# KiCad board FD.kicad_pcb (continued)
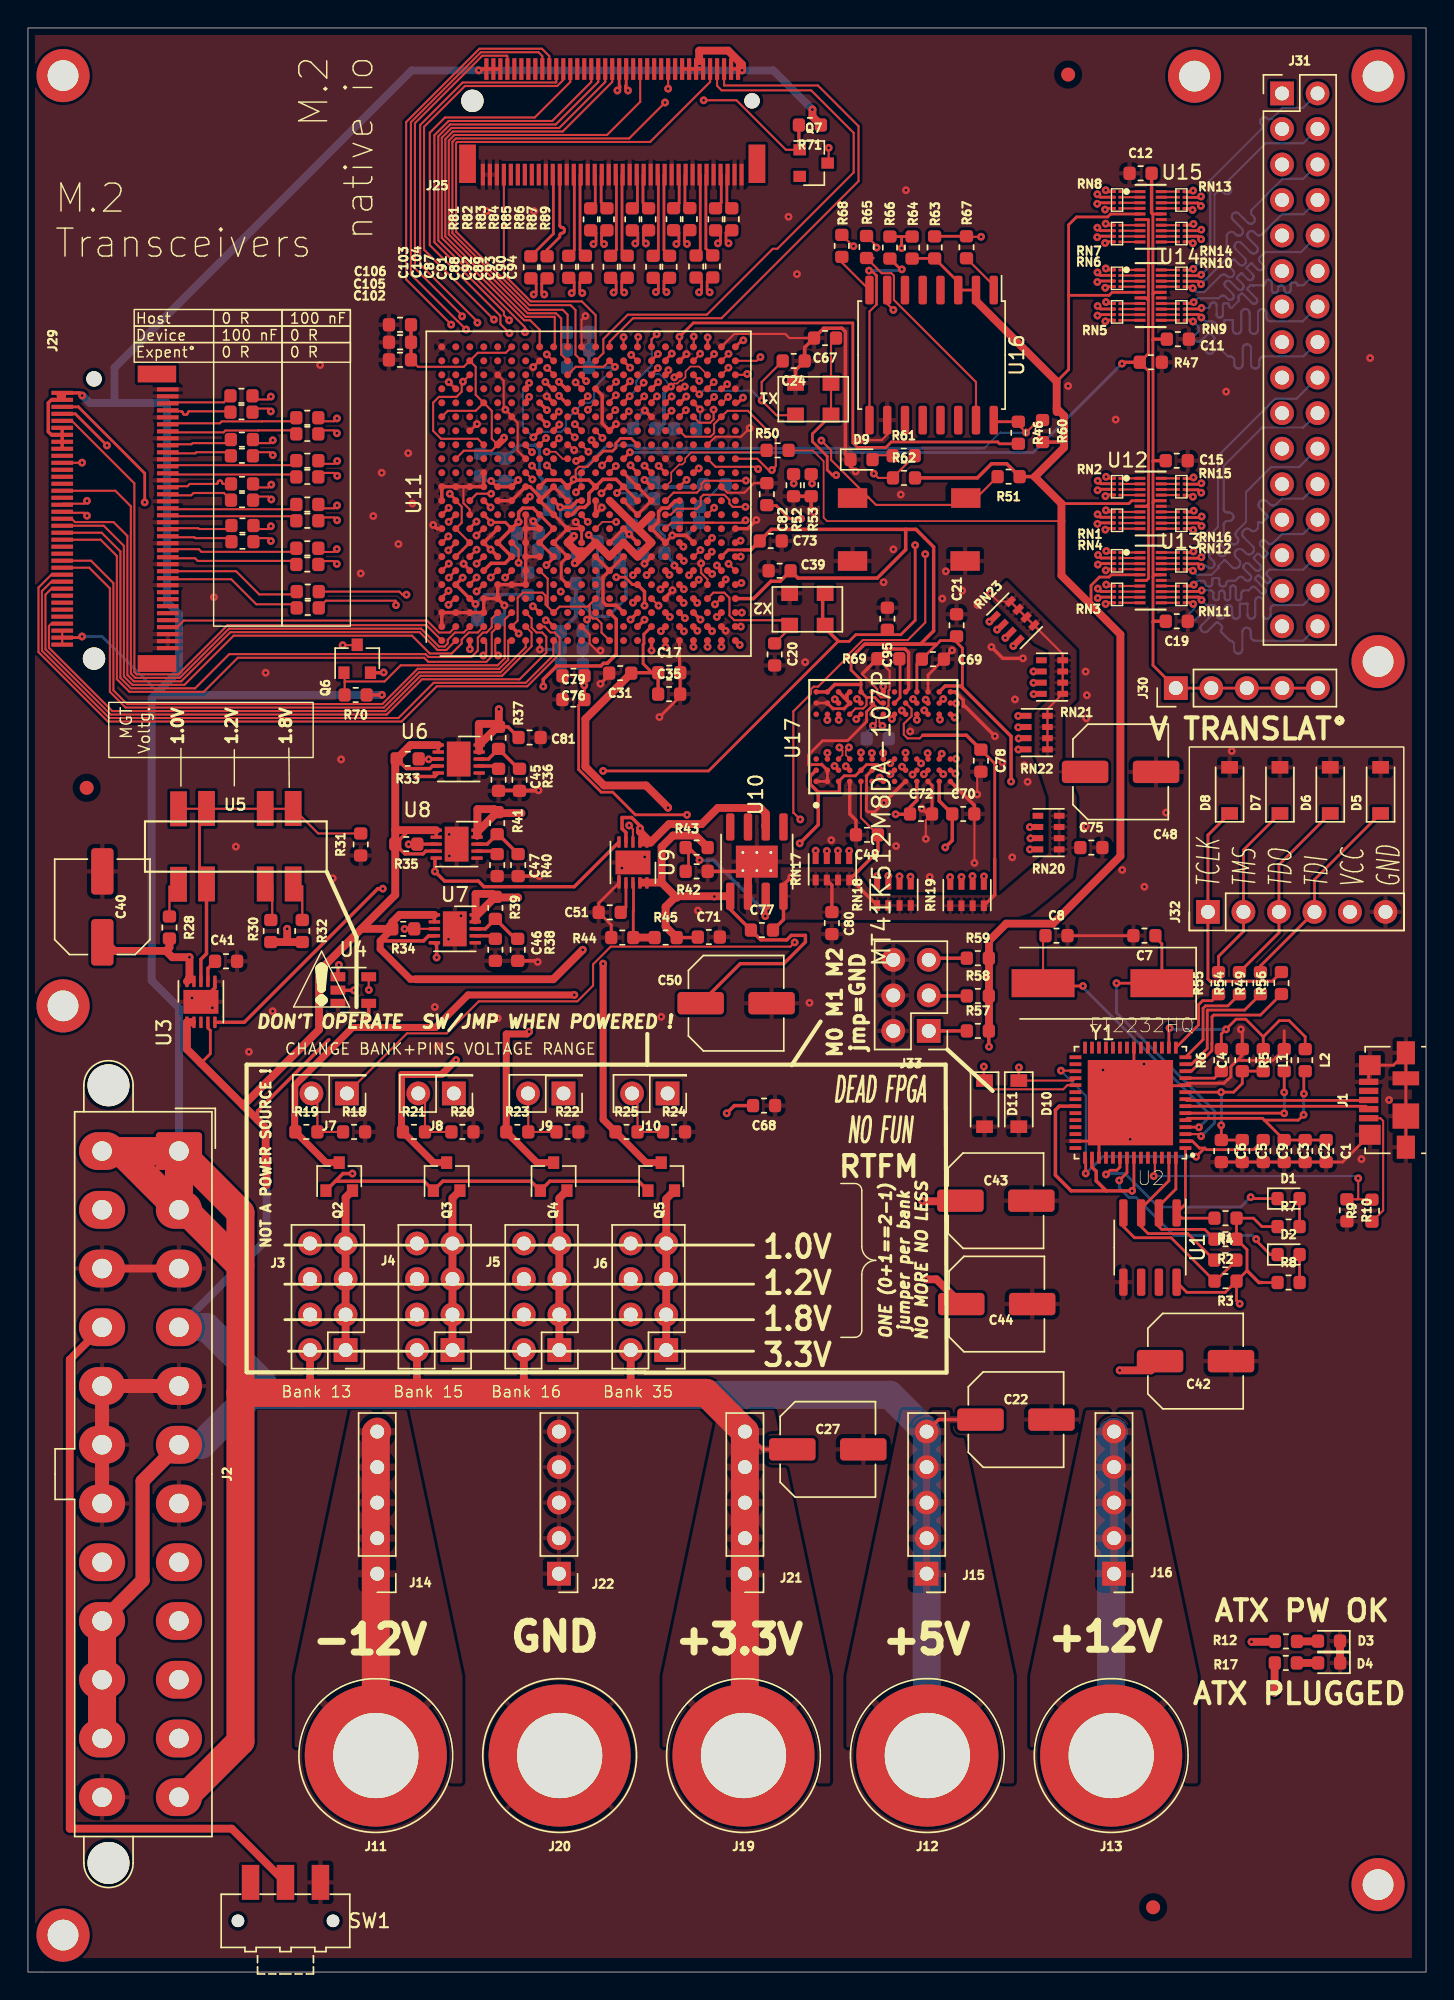
[diagram p0: board, top side]
## Footprints (pads in the part's own frame, mm; a bottom-side part is the same pattern mirrored in y, then rotated) (continued)
Molex_Mini-Fit_Jr_5566-24A2_2x12_P4.20mm_Vertical
  round 3 hole 3 unplated: (-4.7,-5.04) (50.9,-5.04)
  rrect 2.7x3.3 hole 1.4: 1(0,0)
  oval 2.7x3.3 hole 1.4: 2(4.2,0) 3(8.4,0) 4(12.6,0) 5(16.8,0) 6(21,0) 7(25.2,0) 8(29.4,0) 9(33.6,0) 10(37.8,0) 11(42,0) 12(46.2,0) 13(0,-5.5) 14(4.2,-5.5) 15(8.4,-5.5) 16(12.6,-5.5) 17(16.8,-5.5) 18(21,-5.5) 19(25.2,-5.5) 20(29.4,-5.5) 21(33.6,-5.5) 22(37.8,-5.5) 23(42,-5.5) 24(46.2,-5.5)
MountingHole_2.2mm_M2_DIN965_Pad
  round 3.8 hole 2.2: 1(0,0)
ON_Semiconductor-517AK-01-11_2006-O-MFG
  rect 0.78x0.22 smd: 1(-0.76,1.8) 2(-0.76,1.4) 3(-0.76,1) 4(-0.76,0.6) 5(-0.76,0.2) 6(-0.76,-0.2) 7(-0.76,-0.6) 8(-0.76,-1) 9(-0.76,-1.4) 10(-0.76,-1.8) 11(0.76,-1.8) 12(0.76,-1.4) 13(0.76,-1) 14(0.76,-0.6) 15(0.76,-0.2) 16(0.76,0.2) 17(0.76,0.6) 18(0.76,1) 19(0.76,1.4) 20(0.76,1.8)
PinHeader_1x05_P2.54mm_Vertical
  rect 1.7x1.7 hole 1: 1(0,0)
  oval 1.7x1.7 hole 1: 2(0,-2.54) 3(0,-5.08) 4(0,-7.62) 5(0,-10.16)
PinHeader_1x06_P2.54mm_Vertical
  rect 1.7x1.7 hole 1: 1(0,0)
  oval 1.7x1.7 hole 1: 2(0,-2.54) 3(0,-5.08) 4(0,-7.62) 5(0,-10.16) 6(0,-12.7)
PinHeader_2x01_P2.54mm_Vertical
  rect 1.7x1.7 hole 1: 1(0,0)
  oval 1.7x1.7 hole 1: 2(2.54,0)
PinHeader_2x03_P2.54mm_Vertical
  rect 1.7x1.7 hole 1: 1(0,0)
  oval 1.7x1.7 hole 1: 2(2.54,0) 3(0,-2.54) 4(2.54,-2.54) 5(0,-5.08) 6(2.54,-5.08)
PinHeader_2x04_P2.54mm_Vertical
  rect 1.7x1.7 hole 1: 1(0,0)
  oval 1.7x1.7 hole 1: 2(2.54,0) 3(0,-2.54) 4(2.54,-2.54) 5(0,-5.08) 6(2.54,-5.08) 7(0,-7.62) 8(2.54,-7.62)
PinHeader_2x16_P2.54mm_Vertical
  rect 1.7x1.7 hole 1: 1(0,0)
  oval 1.7x1.7 hole 1: 2(2.54,0) 3(0,-2.54) 4(2.54,-2.54) 5(0,-5.08) 6(2.54,-5.08) 7(0,-7.62) 8(2.54,-7.62) 9(0,-10.16) 10(2.54,-10.16) 11(0,-12.7) 12(2.54,-12.7) 13(0,-15.24) 14(2.54,-15.24) 15(0,-17.78) 16(2.54,-17.78) 17(0,-20.32) 18(2.54,-20.32) 19(0,-22.86) 20(2.54,-22.86) 21(0,-25.4) 22(2.54,-25.4) 23(0,-27.94) 24(2.54,-27.94) 25(0,-30.48) 26(2.54,-30.48) 27(0,-33.02) 28(2.54,-33.02) 29(0,-35.56) 30(2.54,-35.56) 31(0,-38.1) 32(2.54,-38.1)
R_0603_1608Metric
  rrect 0.875x0.95 smd: 1(-0.787,0) 2(0.787,0)
R_Cat16-4
  rect 0.76x0.43 smd: 1(-0.76,1.2) 2(-0.76,0.4) 3(-0.76,-0.4) 4(-0.76,-1.2) 5(0.76,-1.2) 6(0.76,-0.4) 7(0.76,0.4) 8(0.76,1.2)
Resistor_Array_4x0503
  rect 0.3x0.2 smd: 1(-0.25,0.6) 2(-0.25,0.2) 3(-0.25,-0.2) 4(-0.25,-0.6) 5(0.25,-0.6) 6(0.25,-0.2) 7(0.25,0.2) 8(0.25,0.6)
SOIC-8-1EP_3.9x4.9mm_P1.27mm_EP2.29x3mm_ThermalVias
  rrect 0.96x1.25 smd: (-0.57,0.75) (-0.57,-0.75) (0.57,0.75) (0.57,-0.75)
  rrect 1.95x0.6 smd: 1(-2.475,1.905) 2(-2.475,0.635) 3(-2.475,-0.635) 4(-2.475,-1.905) 5(2.475,-1.905) 6(2.475,-0.635) 7(2.475,0.635) 8(2.475,1.905)
  round 0.5 hole 0.2: 9(-0.65,1) 9(-0.65,0) 9(-0.65,-1) 9(0.65,1) 9(0.65,0) 9(0.65,-1)
  rect 1.8x2.5 smd far side: 9(0,0)
  rect 2.29x3 smd: 9(0,0)
SOIC-8_3.9x4.9mm_P1.27mm
  rrect 1.95x0.6 smd: 1(-2.475,1.905) 2(-2.475,0.635) 3(-2.475,-0.635) 4(-2.475,-1.905) 5(2.475,-1.905) 6(2.475,-0.635) 7(2.475,0.635) 8(2.475,1.905)
SOIC-16W_7.5x10.3mm_P1.27mm
  rrect 2.05x0.6 smd: 1(-4.65,4.445) 2(-4.65,3.175) 3(-4.65,1.905) 4(-4.65,0.635) 5(-4.65,-0.635) 6(-4.65,-1.905) 7(-4.65,-3.175) 8(-4.65,-4.445) 9(4.65,-4.445) 10(4.65,-3.175) 11(4.65,-1.905) 12(4.65,-0.635) 13(4.65,0.635) 14(4.65,1.905) 15(4.65,3.175) 16(4.65,4.445)
SOT-23
  rect 0.9x0.8 smd: 1(-1,0.95) 2(-1,-0.95) 3(1,0)
SOT-23-5
  rect 1.06x0.65 smd: 1(-1.1,0.95) 2(-1.1,0) 3(-1.1,-0.95) 4(1.1,-0.95) 5(1.1,0.95)
SW_SPDT_CK-JS102011SAQN
  round 0.9 hole 0.9 unplated: (-3.4,0) (3.4,0)
  rect 1.25x2.5 smd: 1(-2.5,2.75) 2(0,2.75) 3(2.5,2.75)
USB_Micro-B_Molex_47346-0001
  rect 0.45x1.38 smd: 1(-1.3,1.46) 2(-0.65,1.46) 3(0,1.46) 4(0.65,1.46) 5(1.3,1.46)
  rect 1.65x1.3 smd: 6(-3.375,-1.2) 6(3.375,-1.2)
  rect 1.425x1.55 smd: 6(-2.487,1.375) 6(2.487,1.375)
  rect 1.8x1.9 smd: 6(-1.15,-1.2)
  rect 1x1.9 smd: 6(1.55,-1.2)
VQFN-56-ftdi2232h-56q
  rect 0.85x0.27 smd: 1(-3.935,3.25) 2(-3.935,2.75) 3(-3.935,2.25) 4(-3.935,1.75) 5(-3.935,1.25) 6(-3.935,0.75) 7(-3.935,0.25) 8(-3.935,-0.25) 9(-3.935,-0.75) 10(-3.935,-1.25) 11(-3.935,-1.75) 12(-3.935,-2.25) 13(-3.935,-2.75) 14(-3.935,-3.25) 29(3.935,-3.25) 30(3.935,-2.75) 31(3.935,-2.25) 32(3.935,-1.75) 33(3.935,-1.25) 34(3.935,-0.75) 35(3.935,-0.25) 36(3.935,0.25) 37(3.935,0.75) 38(3.935,1.25) 39(3.935,1.75) 40(3.935,2.25) 41(3.935,2.75) 42(3.935,3.25)
  rect 0.27x0.85 smd: 15(-3.25,-3.935) 16(-2.75,-3.935) 17(-2.25,-3.935) 18(-1.75,-3.935) 19(-1.25,-3.935) 20(-0.75,-3.935) 21(-0.25,-3.935) 22(0.25,-3.935) 23(0.75,-3.935) 24(1.25,-3.935) 25(1.75,-3.935) 26(2.25,-3.935) 27(2.75,-3.935) 28(3.25,-3.935) 43(3.25,3.935) 44(2.75,3.935) 45(2.25,3.935) 46(1.75,3.935) 47(1.25,3.935) 48(0.75,3.935) 49(0.25,3.935) 50(-0.25,3.935) 51(-0.75,3.935) 52(-1.25,3.935) 53(-1.75,3.935) 54(-2.25,3.935) 55(-2.75,3.935) 56(-3.25,3.935)
  rect 6.1x6.1 smd: 45(0,0)
Xilinx_FGG484.p2d
  round 0.5 smd: A1(-10.5,10.5) A2(-9.5,10.5) A3(-8.5,10.5) A4(-7.5,10.5) A5(-6.5,10.5) A6(-5.5,10.5) A7(-4.5,10.5) A8(-3.5,10.5) A9(-2.5,10.5) A10(-1.5,10.5) A11(-0.5,10.5) A12(0.5,10.5) A13(1.5,10.5) A14(2.5,10.5) A15(3.5,10.5) A16(4.5,10.5) A17(5.5,10.5) A18(6.5,10.5) A19(7.5,10.5) A20(8.5,10.5) A21(9.5,10.5) A22(10.5,10.5) AA1(-10.5,-9.5) AA2(-9.5,-9.5) AA3(-8.5,-9.5) AA4(-7.5,-9.5) AA5(-6.5,-9.5) AA6(-5.5,-9.5) AA7(-4.5,-9.5) AA8(-3.5,-9.5) AA9(-2.5,-9.5) AA10(-1.5,-9.5) AA11(-0.5,-9.5) AA12(0.5,-9.5) AA13(1.5,-9.5) AA14(2.5,-9.5) AA15(3.5,-9.5) AA16(4.5,-9.5) AA17(5.5,-9.5) AA18(6.5,-9.5) AA19(7.5,-9.5) AA20(8.5,-9.5) AA21(9.5,-9.5) AA22(10.5,-9.5) AB1(-10.5,-10.5) AB2(-9.5,-10.5) AB3(-8.5,-10.5) AB4(-7.5,-10.5) AB5(-6.5,-10.5) AB6(-5.5,-10.5) AB7(-4.5,-10.5) AB8(-3.5,-10.5) AB9(-2.5,-10.5) AB10(-1.5,-10.5) AB11(-0.5,-10.5) AB12(0.5,-10.5) AB13(1.5,-10.5) AB14(2.5,-10.5) AB15(3.5,-10.5) AB16(4.5,-10.5) AB17(5.5,-10.5) AB18(6.5,-10.5) AB19(7.5,-10.5) AB20(8.5,-10.5) AB21(9.5,-10.5) AB22(10.5,-10.5) B1(-10.5,9.5) B2(-9.5,9.5) B3(-8.5,9.5) B4(-7.5,9.5) B5(-6.5,9.5) B6(-5.5,9.5) B7(-4.5,9.5) B8(-3.5,9.5) B9(-2.5,9.5) B10(-1.5,9.5) B11(-0.5,9.5) B12(0.5,9.5) B13(1.5,9.5) B14(2.5,9.5) B15(3.5,9.5) B16(4.5,9.5) B17(5.5,9.5) B18(6.5,9.5) B19(7.5,9.5) B20(8.5,9.5) B21(9.5,9.5) B22(10.5,9.5) C1(-10.5,8.5) C2(-9.5,8.5) C3(-8.5,8.5) C4(-7.5,8.5) C5(-6.5,8.5) C6(-5.5,8.5) C7(-4.5,8.5) C8(-3.5,8.5) C9(-2.5,8.5) C10(-1.5,8.5) C11(-0.5,8.5) C12(0.5,8.5) C13(1.5,8.5) C14(2.5,8.5) C15(3.5,8.5) C16(4.5,8.5) C17(5.5,8.5) C18(6.5,8.5) C19(7.5,8.5) C20(8.5,8.5) C21(9.5,8.5) C22(10.5,8.5) D1(-10.5,7.5) D2(-9.5,7.5) D3(-8.5,7.5) D4(-7.5,7.5) D5(-6.5,7.5) D6(-5.5,7.5) D7(-4.5,7.5) D8(-3.5,7.5) D9(-2.5,7.5) D10(-1.5,7.5) D11(-0.5,7.5) D12(0.5,7.5) D13(1.5,7.5) D14(2.5,7.5) D15(3.5,7.5) D16(4.5,7.5) D17(5.5,7.5) D18(6.5,7.5) D19(7.5,7.5) D20(8.5,7.5) D21(9.5,7.5) D22(10.5,7.5) E1(-10.5,6.5) E2(-9.5,6.5) E3(-8.5,6.5) E4(-7.5,6.5) E5(-6.5,6.5) E6(-5.5,6.5) E7(-4.5,6.5) E8(-3.5,6.5) E9(-2.5,6.5) E10(-1.5,6.5) E11(-0.5,6.5) E12(0.5,6.5) E13(1.5,6.5) E14(2.5,6.5) E15(3.5,6.5) E16(4.5,6.5) E17(5.5,6.5) E18(6.5,6.5) E19(7.5,6.5) E20(8.5,6.5) E21(9.5,6.5) E22(10.5,6.5) F1(-10.5,5.5) F2(-9.5,5.5) F3(-8.5,5.5) F4(-7.5,5.5) F5(-6.5,5.5) F6(-5.5,5.5) F7(-4.5,5.5) F8(-3.5,5.5) F9(-2.5,5.5) F10(-1.5,5.5) F11(-0.5,5.5) F12(0.5,5.5) F13(1.5,5.5) F14(2.5,5.5) F15(3.5,5.5) F16(4.5,5.5) F17(5.5,5.5) F18(6.5,5.5) F19(7.5,5.5) F20(8.5,5.5) F21(9.5,5.5) F22(10.5,5.5) G1(-10.5,4.5) G2(-9.5,4.5) G3(-8.5,4.5) G4(-7.5,4.5) G5(-6.5,4.5) G6(-5.5,4.5) G7(-4.5,4.5) G8(-3.5,4.5) G9(-2.5,4.5) G10(-1.5,4.5) G11(-0.5,4.5) G12(0.5,4.5) G13(1.5,4.5) G14(2.5,4.5) G15(3.5,4.5) G16(4.5,4.5) G17(5.5,4.5) G18(6.5,4.5) G19(7.5,4.5) G20(8.5,4.5) G21(9.5,4.5) G22(10.5,4.5) H1(-10.5,3.5) H2(-9.5,3.5) H3(-8.5,3.5) H4(-7.5,3.5) H5(-6.5,3.5) H6(-5.5,3.5) H7(-4.5,3.5) H8(-3.5,3.5) H9(-2.5,3.5) H10(-1.5,3.5) H11(-0.5,3.5) H12(0.5,3.5) H13(1.5,3.5) H14(2.5,3.5) H15(3.5,3.5) H16(4.5,3.5) H17(5.5,3.5) H18(6.5,3.5) H19(7.5,3.5) H20(8.5,3.5) H21(9.5,3.5) H22(10.5,3.5) J1(-10.5,2.5) J2(-9.5,2.5) J3(-8.5,2.5) J4(-7.5,2.5) J5(-6.5,2.5) J6(-5.5,2.5) J7(-4.5,2.5) J8(-3.5,2.5) J9(-2.5,2.5) J10(-1.5,2.5) J11(-0.5,2.5) J12(0.5,2.5) J13(1.5,2.5) J14(2.5,2.5) J15(3.5,2.5) J16(4.5,2.5) J17(5.5,2.5) J18(6.5,2.5) J19(7.5,2.5) J20(8.5,2.5) J21(9.5,2.5) J22(10.5,2.5) K1(-10.5,1.5) K2(-9.5,1.5) K3(-8.5,1.5) K4(-7.5,1.5) K5(-6.5,1.5) K6(-5.5,1.5) K7(-4.5,1.5) K8(-3.5,1.5) K9(-2.5,1.5) K10(-1.5,1.5) K11(-0.5,1.5) K12(0.5,1.5) K13(1.5,1.5) K14(2.5,1.5) K15(3.5,1.5) K16(4.5,1.5) K17(5.5,1.5) K18(6.5,1.5) K19(7.5,1.5) K20(8.5,1.5) K21(9.5,1.5) K22(10.5,1.5) L1(-10.5,0.5) L2(-9.5,0.5) L3(-8.5,0.5) L4(-7.5,0.5) L5(-6.5,0.5) L6(-5.5,0.5) L7(-4.5,0.5) L8(-3.5,0.5) L9(-2.5,0.5) L10(-1.5,0.5) L11(-0.5,0.5) L12(0.5,0.5) L13(1.5,0.5) L14(2.5,0.5) L15(3.5,0.5) L16(4.5,0.5) L17(5.5,0.5) L18(6.5,0.5) L19(7.5,0.5) L20(8.5,0.5) L21(9.5,0.5) L22(10.5,0.5) M1(-10.5,-0.5) M2(-9.5,-0.5) M3(-8.5,-0.5) M4(-7.5,-0.5) M5(-6.5,-0.5) M6(-5.5,-0.5) M7(-4.5,-0.5) M8(-3.5,-0.5) M9(-2.5,-0.5) M10(-1.5,-0.5) M11(-0.5,-0.5) M12(0.5,-0.5) M13(1.5,-0.5) M14(2.5,-0.5) M15(3.5,-0.5) M16(4.5,-0.5) M17(5.5,-0.5) M18(6.5,-0.5) M19(7.5,-0.5) M20(8.5,-0.5) M21(9.5,-0.5) M22(10.5,-0.5) N1(-10.5,-1.5) N2(-9.5,-1.5) N3(-8.5,-1.5) N4(-7.5,-1.5) N5(-6.5,-1.5) N6(-5.5,-1.5) N7(-4.5,-1.5) N8(-3.5,-1.5) N9(-2.5,-1.5) N10(-1.5,-1.5) N11(-0.5,-1.5) N12(0.5,-1.5) N13(1.5,-1.5) N14(2.5,-1.5) N15(3.5,-1.5) N16(4.5,-1.5) N17(5.5,-1.5) N18(6.5,-1.5) N19(7.5,-1.5) N20(8.5,-1.5) N21(9.5,-1.5) N22(10.5,-1.5) P1(-10.5,-2.5) P2(-9.5,-2.5) P3(-8.5,-2.5) P4(-7.5,-2.5) P5(-6.5,-2.5) P6(-5.5,-2.5) P7(-4.5,-2.5) P8(-3.5,-2.5) P9(-2.5,-2.5) P10(-1.5,-2.5) P11(-0.5,-2.5) P12(0.5,-2.5) P13(1.5,-2.5) P14(2.5,-2.5) P15(3.5,-2.5) P16(4.5,-2.5) P17(5.5,-2.5) P18(6.5,-2.5) P19(7.5,-2.5) P20(8.5,-2.5) P21(9.5,-2.5) P22(10.5,-2.5) R1(-10.5,-3.5) R2(-9.5,-3.5) R3(-8.5,-3.5) R4(-7.5,-3.5) R5(-6.5,-3.5) R6(-5.5,-3.5) R7(-4.5,-3.5) R8(-3.5,-3.5) R9(-2.5,-3.5) R10(-1.5,-3.5) R11(-0.5,-3.5) R12(0.5,-3.5) R13(1.5,-3.5) R14(2.5,-3.5) R15(3.5,-3.5) R16(4.5,-3.5) R17(5.5,-3.5) R18(6.5,-3.5) R19(7.5,-3.5) R20(8.5,-3.5) R21(9.5,-3.5) R22(10.5,-3.5) T1(-10.5,-4.5) T2(-9.5,-4.5) T3(-8.5,-4.5) T4(-7.5,-4.5) T5(-6.5,-4.5) T6(-5.5,-4.5) T7(-4.5,-4.5) T8(-3.5,-4.5) T9(-2.5,-4.5) T10(-1.5,-4.5) T11(-0.5,-4.5) T12(0.5,-4.5) T13(1.5,-4.5) T14(2.5,-4.5) T15(3.5,-4.5) T16(4.5,-4.5) T17(5.5,-4.5) T18(6.5,-4.5) T19(7.5,-4.5) T20(8.5,-4.5) T21(9.5,-4.5) T22(10.5,-4.5) U1(-10.5,-5.5) U2(-9.5,-5.5) U3(-8.5,-5.5) U4(-7.5,-5.5) U5(-6.5,-5.5) U6(-5.5,-5.5) U7(-4.5,-5.5) U8(-3.5,-5.5) U9(-2.5,-5.5) U10(-1.5,-5.5) U11(-0.5,-5.5) U12(0.5,-5.5) U13(1.5,-5.5) U14(2.5,-5.5) U15(3.5,-5.5) U16(4.5,-5.5) U17(5.5,-5.5) U18(6.5,-5.5) U19(7.5,-5.5) U20(8.5,-5.5) U21(9.5,-5.5) U22(10.5,-5.5) V1(-10.5,-6.5) V2(-9.5,-6.5) V3(-8.5,-6.5) V4(-7.5,-6.5) V5(-6.5,-6.5) V6(-5.5,-6.5) V7(-4.5,-6.5) V8(-3.5,-6.5) V9(-2.5,-6.5) V10(-1.5,-6.5) V11(-0.5,-6.5) V12(0.5,-6.5) V13(1.5,-6.5) V14(2.5,-6.5) V15(3.5,-6.5) V16(4.5,-6.5) V17(5.5,-6.5) V18(6.5,-6.5) V19(7.5,-6.5) V20(8.5,-6.5) V21(9.5,-6.5) V22(10.5,-6.5) W1(-10.5,-7.5) W2(-9.5,-7.5) W3(-8.5,-7.5) W4(-7.5,-7.5) W5(-6.5,-7.5) W6(-5.5,-7.5) W7(-4.5,-7.5) W8(-3.5,-7.5) W9(-2.5,-7.5) W10(-1.5,-7.5) W11(-0.5,-7.5) W12(0.5,-7.5) W13(1.5,-7.5) W14(2.5,-7.5) W15(3.5,-7.5) W16(4.5,-7.5) W17(5.5,-7.5) W18(6.5,-7.5) W19(7.5,-7.5) W20(8.5,-7.5) W21(9.5,-7.5) W22(10.5,-7.5) Y1(-10.5,-8.5) Y2(-9.5,-8.5) Y3(-8.5,-8.5) Y4(-7.5,-8.5) Y5(-6.5,-8.5) Y6(-5.5,-8.5) Y7(-4.5,-8.5) Y8(-3.5,-8.5) Y9(-2.5,-8.5) Y10(-1.5,-8.5) Y11(-0.5,-8.5) Y12(0.5,-8.5) Y13(1.5,-8.5) Y14(2.5,-8.5) Y15(3.5,-8.5) Y16(4.5,-8.5) Y17(5.5,-8.5) Y18(6.5,-8.5) Y19(7.5,-8.5) Y20(8.5,-8.5) Y21(9.5,-8.5) Y22(10.5,-8.5)

## Nets
+3.3V: C27.1 J2.1 J2.2 J2.12 J2.13 J3.2 J4.2 J5.2 J6.2 J19.1 J21.1 J21.2 J21.3 J21.4 J21.5 J25.2 J25.4 J25.12 J25.14 J25.16 J25.18 J25.70 J25.72 J25.74 J29.2 J29.4 J29.12 J29.14 J29.16 J29.18 J29.70 J29.72 J29.74 L1.1 L2.1 R1.1 R2.1 R3.1 R6.2 R7.1 R8.1 R70.1 R71.1 U1.8 U2.16 U2.36 U2.44 U2.50
+5V: C22.1 J2.4 J2.6 J2.21 J2.22 J2.23 J12.1 J15.1 J15.2 J15.3 J15.4 J15.5 R33.2 R34.2 R35.2 U3.1 U3.2 U3.4 U6.1 U6.2 U6.4 U7.1 U7.2 U7.4 U8.1 U8.2 U8.4 U9.1 U9.2 U9.4 U10.6
+12V: J2.10 J2.11 J13.1 J16.1 J16.2 J16.3 J16.4 J16.5
-12V: J2.14 J11.1 J14.1 J14.2 J14.3 J14.4 J14.5
GND: C1.2 C2.2 C3.2 C4.2 C5.2 C6.2 C7.2 C8.2 C9.2 C10.2 C11.1 C12.1 C13.2 C14.2 C15.1 C16.2 C17.2 C18.2 C19.1 C20.1 C21.2 C22.2 C23.2 C24.1 C25.2 C26.2 C27.2 C28.2 C30.2 C31.2 C32.2 C35.2 C36.2 C38.2 C39.2 C40.2 C41.2 C42.2 C43.2 C44.2 C45.2 C46.2 C47.2 C48.2 C49.2 C50.2 C51.2 C52.2 C65.2 C66.2 C67.2 C68.1 C69.2 C70.2 C71.2 C72.2 C73.2 C74.2 C75.2 C76.2 C78.2 C79.1 C80.2 C81.1 C82.2 C83.1 C84.1 C85.1 C86.1 C95.2 C96.1 C97.1 C98.1 C99.1 C100.1 C101.1 C102.1 C105.1 C106.1 D3.1 D4.1 D5.2 D6.2 D7.2 D8.2 D9.1 D10.2 D11.2 J1.5 J1.6 J2.3 J2.5 J2.7 J2.15 J2.17 J2.18 J2.19 J2.24 J20.1 J22.1 J22.2 J22.3 J22.4 J22.5 J25.1 J25.3 J25.9 J25.15 J25.21 J25.27 J25.33 J25.39 J25.45 J25.51 J25.57 J25.71 J25.73 J25.75 J29.1 J29.3 J29.9 J29.15 J29.21 J29.27 J29.33 J29.39 J29.45 J29.51 J29.57 J29.71 J29.73 J29.75 J32.6 J33.2 J33.4 J33.6 R5.2 R10.2 R18.2 R20.2 R22.2 R24.2 R31.1 R36.1 R38.1 R40.1 R42.2 R44.1 R47.2 R52.1 R53.1 R69.2 SW1.3 SW2.2 U1.5 U2.10 U2.21 U2.41 U2.45 U3.6 U3.11 U4.3 U6.6 U6.11 U7.6 U7.11 U8.6 U8.11 U9.6 U9.11 U10.2 U10.9 U11.A2 U11.A3 U11.A5 U11.A7 U11.A9 U11.A11 U11.A12 U11.A22 U11.AA2 U11.AA12 U11.AA22 U11.AB9 U11.AB19 U11.B3 U11.B12 U11.B19 U11.C3 U11.C6 U11.C10 U11.C12 U11.C16 U11.D3 U11.D4 U11.D8 U11.D12 U11.D13 U11.E4 U11.E5 U11.E7 U11.E9 U11.E11 U11.E20 U11.F5 U11.F11 U11.F17 U11.G5 U11.G6 U11.G7 U11.G8 U11.G9 U11.G10 U11.G12 U11.G14 U11.H1 U11.H7 U11.H9 U11.H11 U11.H21 U11.J8 U11.J10 U11.J12 U11.J18 U11.K5 U11.K7 U11.K9 U11.K11 U11.K15 U11.L2 U11.L8 U11.L9 U11.L22 U11.M7 U11.M10 U11.M11 U11.M19 U11.N6 U11.N8 U11.N16 U11.P3 U11.P7 U11.P9 U11.P11 U11.P13 U11.R8 U11.R10 U11.R12 U11.R20 U11.T7 U11.T9 U11.T11 U11.T17 U11.U4 U11.U8 U11.U14 U11.V1 U11.V11 U11.V21 U11.W8 U11.W18 U11.Y5 U11.Y15 U12.15 U13.15 U14.15 U15.15 U16.10 U17.A1 U17.A8 U17.B1 U17.B2 U17.B8 U17.C9 U17.D1 U17.D8 U17.D9 U17.F2 U17.F8 U17.J1 U17.J9 U17.L1 U17.L9 U17.N1 U17.N9 X1.2 X2.2
VCCAUX: C16.1 C25.1 C30.1 C38.1 C44.1 C65.1 C66.1 C67.1 C68.2 C84.2 C95.1 J3.4 J4.4 J5.4 J6.4 J32.5 Q6.2 R41.2 R50.1 R51.1 R57.2 R58.2 R59.2 R60.2 R62.2 R63.1 R64.1 U8.9 U8.10 U11.E12 U11.F12 U11.H12 U11.K10 U11.K12 U11.M12 U11.M14 U11.P12 U11.P18 U11.R11 U11.R15 U11.T12 U11.T22 U11.U19 U11.Y20 U12.5 U13.5 U14.5 U15.5 U16.2 U16.3 X1.1 X1.4 X2.1 X2.4
VCCBRAM: C10.1 C14.1 C18.1 C23.1 C28.1 C32.1 C36.1 C42.1 C81.2 C85.2 C86.2 J3.8 J4.8 J5.8 J6.8 R37.2 U6.9 U6.10 U11.D6 U11.D10 U11.E8 U11.F7 U11.F9 U11.H8 U11.H10 U11.J7 U11.J9 U11.J11 U11.K8 U11.L7 U11.L11 U11.M8 U11.N7 U11.N11 U11.P8 U11.P10 U11.R7 U11.R9 U11.T8 U11.T10
VCCDDR_1.35V: C13.1 C17.1 C21.1 C26.1 C31.1 C35.1 C39.1 C50.1 C52.1 C69.1 C70.1 C71.1 C72.1 C73.1 C74.1 C77.1 R43.1 R45.2 U9.9 U9.10 U10.1 U11.AA7 U11.AB4 U11.R5 U11.T2 U11.V6 U11.W3 U17.A2 U17.A9 U17.B9 U17.C1 U17.D7 U17.E2 U17.E9 U17.G2 U17.G8 U17.K1 U17.K9 U17.M1 U17.M9
VCCDDR_1.35V_VREF: C48.1 C49.1 C75.1 C76.1 C77.2 C78.1 C79.2 C80.1 C82.1 RN17.1 RN17.2 RN17.3 RN17.4 RN18.1 RN18.2 RN18.3 RN18.4 RN19.1 RN19.2 RN19.3 RN19.4 RN20.1 RN20.2 RN20.3 RN20.4 RN21.1 RN21.2 RN21.3 RN21.4 RN22.1 RN22.2 RN22.3 RN22.4 RN23.1 RN23.2 RN23.3 RN23.4 U10.4 U11.V3 U11.W7 U17.E1 U17.J8
VCCFPGA_S0_PG: R33.1 U3.5 U6.3 U7.5 U8.5 U9.5
VCCFPGA_S1_1.2V: C43.1 J3.6 J4.6 J5.6 J6.6 R39.2 U7.9 U7.10
VCCFPGA_S1_MGT: C40.1 C83.2 R28.2 R30.2 R32.2 R48.1 U3.9 U3.10 U11.B5 U11.B7 U11.B9 U11.B11 U11.C4 U11.C8
VCCFPGA_S1_PG: Q2.1 Q3.1 Q4.1 Q5.1 U4.4
VCCFPGA_S1_VARIABLE_V1: Q2.3 R19.1 U11.AA17 U11.AB14 U11.V16 U11.W13 U11.Y10
VCCFPGA_S1_VARIABLE_V2: C102.2 C105.2 C106.2 Q3.3 R21.1 U11.A17 U11.B14 U11.C21 U11.D18 U11.E15 U11.F22
VCCFPGA_S1_VARIABLE_V3: C99.2 C100.2 C101.2 Q4.3 R23.1 U11.G19 U11.H16 U11.J13 U11.K20 U11.L17 U11.N21
VCCFPGA_S1_VARIABLE_V4: C96.2 C97.2 C98.2 Q5.3 R25.1 U11.C1 U11.F2 U11.H6 U11.J3 U11.M4 U11.N1
VCCFPGA_S1_VREF_V1: J7.1 U11.Y14
VCCFPGA_S1_VREF_V2: J8.1 U11.C20 U11.D15
VCCFPGA_S1_VREF_V3: J9.1 U11.H18 U11.K14
VCCFPGA_S1_VREF_V4: J10.1 U11.N3
/fgpa-logic/m0: J33.1 R57.1 U11.U11
/fgpa-logic/m1: J33.3 R58.1 U11.U10
/fgpa-logic/m2: J33.5 R59.1 U11.U9
/usb-interface/D+: J1.3 U2.8
/usb-interface/D-: J1.2 U2.7
ATX_POWEROK: J2.8 R12.2 U4.5 U6.5
DDR_A0: RN19.7 U11.AB6 U17.K3
DDR_A1: RN23.8 U11.T4 U17.L7
DDR_A2: RN19.6 U11.AB7 U17.L3
DDR_A3: RN18.5 U11.Y6 U17.K2
DDR_A4: RN23.7 U11.V5 U17.L8
DDR_A5: RN19.8 U11.AA6 U17.L2
DDR_A6: RN21.6 U11.AB5 U17.M8
DDR_A7: RN19.5 U11.V8 U17.M2
DDR_A8: RN21.7 U11.AA5 U17.N8
DDR_A9: RN20.7 U11.Y7 U17.M3
DDR_A10: RN22.8 U11.AA1 U17.H7
DDR_A11: RN21.8 U11.U6 U17.M7
DDR_A12: RN23.6 U11.AB3 U17.K7
DDR_A13: RN20.6 U11.AB8 U17.N3
DDR_A14: RN22.5 U11.V7 U17.N7
DDR_A15: RN22.7 U11.AB1 U17.J7
DDR_BA0: RN18.7 U11.W4 U17.J2
DDR_BA1: RN22.6 U11.V4 U17.K8
DDR_BA2: RN18.6 U11.AA4 U17.J3
DDR_CK_N: R88.1 U11.W5 U17.G7
DDR_CK_P: R88.2 U11.W6 U17.F7
DDR_CKE: RN23.5 U11.AB2 U17.G9
DDR_CLK_SYS: C20.2 U11.Y4 X2.3
DDR_DM: U11.T1 U17.B7
DDR_DQ0: U11.U3 U17.B3
DDR_DQ1: U11.W1 U17.C7
DDR_DQ2: U11.U2 U17.C2
DDR_DQ3: U11.Y2 U17.C8
DDR_DQ4: U11.V2 U17.E3
DDR_DQ5: U11.Y1 U17.E8
DDR_DQ6: U11.U1 U17.D2
DDR_DQ7: U11.W2 U17.E7
DDR_DQS_N: U11.R2 U17.D3
DDR_DQS_P: U11.R3 U17.C3
DDR_NCAS: RN17.7 U11.R4 U17.G3
DDR_NCS: RN18.8 U11.R6 U17.H2
DDR_NRAS: RN17.8 U11.AA3 U17.F3
DDR_NRST: RN20.8 U11.Y8 U17.N2
DDR_NWE: RN17.6 U11.U5 U17.H3
DDR_ODT: RN17.5 U11.T6 U17.G1
FLASH_CONFIG_CLK: R46.1 R60.1 U11.L12 U16.16
FLASH_CONFIG_CS: U11.T19 U16.7
FLASH_CONFIG_IO_0: R65.2 U11.P22
FLASH_CONFIG_IO_1: R68.1 U11.R22
FLASH_CONFIG_IO_2: R64.2 R66.2 U11.P21
FLASH_CONFIG_IO_3: R63.2 R67.2 U11.R21
FPGA-CLK-100: C24.2 U11.W19 X1.3
FPGA_SER_RX: D11.1 U2.33 U11.N13
FPGA_SER_TX: D10.1 U2.32 U11.N14
FPGA_TDCLK: R56.1 U2.12
FPGA_TDI: R49.1 U2.13
FPGA_TDO: R54.1 U2.14
FPGA_TMS: R55.1 U2.15
M20_MFG_CLK: J29.58 U11.G3
M20_MFG_DATA: J29.56 U11.J1
M20_NPLN: J29.8 U11.H3
M20_P0R_N: J29.41 R74.2
M20_P0R_P: J29.43 R73.2
M20_P0T_N: C59.2 J29.47
M20_P0T_P: C53.2 J29.49
M20_P1R_N: J29.29 R76.2
M20_P1R_P: J29.31 R75.2
M20_P1T_N: C60.2 J29.35
M20_P1T_P: C54.2 J29.37
M20_P2R_N: J29.17 R78.2
M20_P2R_P: J29.19 R77.2
M20_P2T_N: C61.2 J29.23
M20_P2T_P: C55.2 J29.25
M20_P3R_N: J29.5 R80.2
M20_P3R_P: J29.7 R79.2
M20_P3T_N: C62.2 J29.11
M20_P3T_P: C56.2 J29.13
M20_PCLK0_N: C63.2 J29.53
M20_PCLK0_P: C57.2 J29.55
M20_PCLK0F_N: C63.1 U11.E6
M20_PCLK0F_P: C57.1 U11.F6
M20_PDIS: J29.6 U11.J2
M20_PE_DAS_MGT: J29.10 U11.A1
M20_PE_DEVSLP_MGT: J29.38 U11.B1
M20_PE_NCLKREQ_MGT: J29.52 U11.G1
M20_PE_NRST_MGT: J29.50 U11.F1
M20_PE_NWAKE_MGT: J29.54 U11.H2
M20_PE_PEDET_MGT: J29.69 U11.B2
M20_PE_SUSCLK_MGT: J29.68 U11.G2
M20_PLAS3: J29.30 U11.C2
M20_PRX0_N: R80.1 U11.C9
M20_PRX0_P: R79.1 U11.D9
M20_PRX1_N: R78.1 U11.A10
M20_PRX1_P: R77.1 U11.B10
M20_PRX2_N: R76.1 U11.C11
M20_PRX2_P: R75.1 U11.D11
M20_PRX3_N: R74.1 U11.A8
M20_PRX3_P: R73.1 U11.B8
M20_PTX0F_N: C62.1 U11.C7
M20_PTX0F_P: C56.1 U11.D7
M20_PTX1F_N: C61.1 U11.A6
M20_PTX1F_P: C55.1 U11.B6
M20_PTX2F_N: C60.1 U11.C5
M20_PTX2F_P: C54.1 U11.D5
M20_PTX3F_N: C59.1 U11.A4
M20_PTX3F_P: C53.1 U11.B4
M20_SMB_CLK: J29.40 U11.D2
M20_SMB_DATA: J29.42 U11.E3
M20_SMB_NALERT: J29.44 U11.E2
M20_USBD_N: J29.34 U11.D1
M20_USBD_P: J29.36 U11.E1
M20_VIO: J29.22 Q6.3
M20_VIO_Q: Q6.1 R70.2 U11.F3
M22_MFG_CLK: J25.58 U11.H15
M22_MFG_DATA: J25.56 U11.G15
M22_NPLN: J25.6 U11.N22
M22_P0R_N: J25.41 R82.2
M22_P0R_P: J25.43 R81.2
M22_P0T_N: C91.2 J25.47
M22_P0T_P: C87.2 J25.49
M22_P1R_N: J25.29 R84.2
M22_P1R_P: J25.31 R83.2
M22_P1T_N: C92.2 J25.35
M22_P1T_P: C88.2 J25.37
M22_P2R_N: J25.17 R86.2
M22_P2R_P: J25.19 R85.2
M22_P2T_N: C93.2 J25.23
M22_P2T_P: C89.2 J25.25
M22_P3R_N: J25.5 R89.2
M22_P3R_P: J25.7 R87.2
M22_P3T_N: C94.2 J25.11
M22_P3T_P: C90.2 J25.13
M22_PCLK0_N: C104.1 J25.53
M22_PCLK0_P: C103.1 J25.55
M22_PCLK0F_N: C104.2 U11.J21
M22_PCLK0F_P: C103.2 U11.J20
M22_PDIS: J25.8 U11.M21
M22_PE_DAS_MGT: J25.10 U11.L21
M22_PE_DEVSLP_MGT: J25.38 U11.J22
M22_PE_NCLKREQ_MGT: J25.52 U11.H17
M22_PE_NRST_MGT: J25.50 U11.J16
M22_PE_NWAKE_MGT: J25.54 U11.G18
M22_PE_PEDET_MGT: J25.69 U11.M22
M22_PE_SUSCLK_MGT: J25.68 U11.J15
M22_PLAS3: J25.30 U11.K21
M22_PRX0_N: R89.1 U11.L15
M22_PRX0_P: R87.1 U11.L14
M22_PRX1_N: R86.1 U11.K16
M22_PRX1_P: R85.1 U11.L16
M22_PRX2_N: R84.1 U11.G13
M22_PRX2_P: R83.1 U11.H13
M22_PRX3_N: R82.1 U11.L20
M22_PRX3_P: R81.1 U11.L19
M22_PTX0F_N: C94.1 U11.M16
M22_PTX0F_P: C90.1 U11.M15
M22_PTX1F_N: C93.1 U11.N19
M22_PTX1F_P: C89.1 U11.N18
M22_PTX2F_N: C92.1 U11.K19
M22_PTX2F_P: C88.1 U11.K18
M22_PTX3F_N: C91.1 U11.L18
M22_PTX3F_P: C87.1 U11.M18
M22_SMB_CLK: J25.40 U11.H22
M22_SMB_DATA: J25.42 U11.J19
M22_SMB_NALERT: J25.44 U11.J17
M22_USBD_N: J25.34
M22_USBD_P: J25.36
M22_VIO: Q7.1 R71.2 U11.K22
M22_VIO_Q: J25.22 Q7.3
RN1_5: RN2.5 U11.V18
RN1_6: RN2.6 U11.AA18
RN1_7: RN2.7 U11.AB18
RN1_8: RN2.8 U11.Y18
RN2_5: RN1.5 U11.AB21
RN2_6: RN1.6 U11.AA20
RN2_7: RN1.7 U11.R19
RN2_8: RN1.8 U11.V19
RN3_5: RN3.5 U11.U17
RN3_6: RN3.6 U11.R18
RN3_7: RN3.7 U11.P17
RN3_8: RN3.8 U11.N17
RN4_5: RN4.5 U11.U18
RN4_6: RN4.6 U11.W17
RN4_7: RN4.7 U11.V17
RN4_8: RN4.8 U11.T18
RN5_5: RN5.5 U11.W20
RN5_6: RN5.6 U11.Y19
RN5_7: RN5.7 U11.AB20
RN5_8: RN5.8 U11.AA19
RN6_5: RN6.5 U11.T20
RN6_6: RN6.6 U11.U20
RN6_7: RN6.7 U11.V20
RN6_8: RN6.8 U11.Y21
RN7_5: RN7.5 U11.T21
RN7_6: RN7.6 U11.U21
RN7_7: RN7.7 U11.P19
RN7_8: RN7.8 U11.W21
RN8_5: RN8.5 U11.W22
RN8_6: RN8.6 U11.Y22
RN8_7: RN8.7 U11.AA21
RN8_8: RN8.8 U11.AB22
USB_VBUS: J1.1 R9.1
VTRANS_1_1: J31.1 RN13.8
VTRANS_1_2: J31.3 RN13.7
VTRANS_1_3: J31.5 RN13.6
VTRANS_1_4: J31.7 RN13.5
VTRANS_1_5: J31.9 RN14.8
VTRANS_1_6: J31.11 RN14.7
VTRANS_1_7: J31.13 RN14.6
VTRANS_1_8: J31.15 RN14.5
VTRANS_2_1: J31.2 RN10.4
VTRANS_2_2: J31.4 RN10.3
VTRANS_2_3: J31.6 RN10.2
VTRANS_2_4: J31.8 RN10.1
VTRANS_2_5: J31.10 RN9.4
VTRANS_2_6: J31.12 RN9.3
VTRANS_2_7: J31.14 RN9.2
VTRANS_2_8: J31.16 RN9.1
VTRANS_3_1: J31.17 RN15.8
VTRANS_3_2: J31.19 RN15.7
VTRANS_3_3: J31.21 RN15.6
VTRANS_3_4: J31.23 RN15.5
VTRANS_3_5: J31.25 RN16.8
VTRANS_3_6: J31.27 RN16.7
VTRANS_3_7: J31.29 RN16.6
VTRANS_3_8: J31.31 RN16.5
VTRANS_4_1: J31.18 RN12.4
VTRANS_4_2: J31.20 RN12.3
VTRANS_4_3: J31.22 RN12.2
VTRANS_4_4: J31.24 RN12.1
VTRANS_4_5: J31.26 RN11.4
VTRANS_4_6: J31.28 RN11.3
VTRANS_4_7: J31.30 RN11.2
VTRANS_4_8: J31.32 RN11.1
VTRANS_OE: R47.1 U11.P14 U12.6 U13.6 U14.6 U15.6
Net-(C1-Pad1): C1.1 C2.1 C3.1 L2.2 U2.5
Net-(C4-Pad1): C4.1 C5.1 C6.1 L1.2 U2.9
Net-(C7-Pad1): C7.1 U2.3 Y1.1
Net-(C8-Pad1): C8.1 U2.4 Y1.2
Net-(C9-Pad1): C9.1 U2.2 U2.31 U2.43
Net-(C11-Pad2): C11.2 C12.2 C15.2 C19.2 J30.1 J30.2 J30.3 J30.4 J30.5 U12.16 U13.16 U14.16 U15.16
Net-(C41-Pad1): C41.1 U3.7
Net-(C45-Pad1): C45.1 U6.7
Net-(C46-Pad1): C46.1 U7.7
Net-(C47-Pad1): C47.1 U8.7
Net-(C51-Pad1): C51.1 U9.7
Net-(D1-Pad1): D1.1 U2.48
Net-(D1-Pad2): D1.2 R7.2
Net-(D2-Pad1): D2.1 U2.49
Net-(D2-Pad2): D2.2 R8.2
Net-(D3-Pad2): D3.2 R12.1
Net-(D4-Pad2): D4.2 R17.1
Net-(D5-Pad1): D5.1 J32.4 R49.2 U11.R13
Net-(D6-Pad1): D6.1 J32.3 R54.2 U11.U13
Net-(D7-Pad1): D7.1 J32.2 R55.2 U11.T13
Net-(D8-Pad1): D8.1 J32.1 R56.2 U11.V12
Net-(D9-Pad2): D9.2 R61.1
Net-(J1-Pad4): J1.4
Net-(J2-Pad9): J2.9 R17.2
Net-(J2-Pad16): J2.16 SW1.2
Net-(J2-Pad20): J2.20
Net-(J3-Pad1): J3.1 J3.3 J3.5 J3.7 Q2.2
Net-(J4-Pad1): J4.1 J4.3 J4.5 J4.7 Q3.2
Net-(J5-Pad1): J5.1 J5.3 J5.5 J5.7 Q4.2
Net-(J6-Pad1): J6.1 J6.3 J6.5 J6.7 Q5.2
Net-(J7-Pad2): J7.2 R18.1 R19.2
Net-(J8-Pad2): J8.2 R20.1 R21.2
Net-(J9-Pad2): J9.2 R22.1 R23.2
Net-(J10-Pad2): J10.2 R24.1 R25.2
Net-(J25-Pad20): J25.20
Net-(J25-Pad24): J25.24
Net-(J25-Pad26): J25.26
Net-(J25-Pad28): J25.28
Net-(J25-Pad32): J25.32
Net-(J25-Pad46): J25.46
Net-(J25-Pad48): J25.48
Net-(J25-Pad67): J25.67
Net-(J29-Pad20): J29.20
Net-(J29-Pad24): J29.24
Net-(J29-Pad26): J29.26
Net-(J29-Pad28): J29.28
Net-(J29-Pad32): J29.32
Net-(J29-Pad46): J29.46
Net-(J29-Pad48): J29.48
Net-(J29-Pad67): J29.67
Net-(Q7-Pad2): Q7.2
Net-(R1-Pad2): R1.2 U1.1 U2.1
Net-(R2-Pad2): R2.2 U1.2 U2.56
Net-(R3-Pad2): R3.2 R4.2 U1.4
Net-(R4-Pad1): R4.1 U1.3 U2.55
Net-(R5-Pad1): R5.1 U2.6
Net-(R6-Pad1): R6.1 U2.11
Net-(R10-Pad1): R9.2 R10.1 U2.53
Net-(R28-Pad1): R28.1 U5.8
Net-(R30-Pad1): R30.1 U5.6
Net-(R31-Pad2): R31.2 U3.8 U5.1 U5.2 U5.3 U5.4 U5.7
Net-(R32-Pad1): R32.1 U5.5
Net-(R34-Pad1): R34.1 U4.2 U7.3
Net-(R35-Pad1): R35.1 U4.1 U8.3
Net-(R36-Pad2): R36.2 R37.1 U6.8
Net-(R38-Pad2): R38.2 R39.1 U7.8
Net-(R40-Pad2): R40.2 R41.1 U8.8
Net-(R42-Pad1): R42.1 R43.2 U9.3 U10.3
Net-(R44-Pad2): R44.2 R45.1 U9.8
Net-(R46-Pad2): R46.2 U11.V22
Net-(R48-Pad2): R48.2 U11.F8
Net-(R50-Pad2): R50.2 U11.U12
Net-(R51-Pad2): R51.2 SW2.1 U11.N12
Net-(R52-Pad2): R52.2 U11.L10
Net-(R53-Pad2): R53.2 U11.M9
Net-(R61-Pad2): R61.2 R62.1 U11.G11
Net-(R65-Pad1): R65.1 U16.15
Net-(R66-Pad1): R66.1 U16.9
Net-(R67-Pad1): R67.1 U16.1
Net-(R68-Pad2): R68.2 U16.8
Net-(R69-Pad1): R69.1 U17.H8
Net-(RN1-Pad1): RN1.1 U12.10
Net-(RN1-Pad2): RN1.2 U12.9
Net-(RN1-Pad3): RN1.3 U12.8
Net-(RN1-Pad4): RN1.4 U12.7
Net-(RN2-Pad1): RN2.1 U12.4
Net-(RN2-Pad2): RN2.2 U12.3
Net-(RN2-Pad3): RN2.3 U12.2
Net-(RN2-Pad4): RN2.4 U12.1
Net-(RN3-Pad1): RN3.1 U13.10
Net-(RN3-Pad2): RN3.2 U13.9
Net-(RN3-Pad3): RN3.3 U13.8
Net-(RN3-Pad4): RN3.4 U13.7
Net-(RN4-Pad1): RN4.1 U13.4
Net-(RN4-Pad2): RN4.2 U13.3
Net-(RN4-Pad3): RN4.3 U13.2
Net-(RN4-Pad4): RN4.4 U13.1
Net-(RN5-Pad1): RN5.1 U14.10
Net-(RN5-Pad2): RN5.2 U14.9
Net-(RN5-Pad3): RN5.3 U14.8
Net-(RN5-Pad4): RN5.4 U14.7
Net-(RN6-Pad1): RN6.1 U14.4
Net-(RN6-Pad2): RN6.2 U14.3
Net-(RN6-Pad3): RN6.3 U14.2
Net-(RN6-Pad4): RN6.4 U14.1
Net-(RN7-Pad1): RN7.1 U15.10
Net-(RN7-Pad2): RN7.2 U15.9
Net-(RN7-Pad3): RN7.3 U15.8
Net-(RN7-Pad4): RN7.4 U15.7
Net-(RN8-Pad1): RN8.1 U15.4
Net-(RN8-Pad2): RN8.2 U15.3
Net-(RN8-Pad3): RN8.3 U15.2
Net-(RN8-Pad4): RN8.4 U15.1
Net-(RN9-Pad5): RN9.5 U14.14
Net-(RN9-Pad6): RN9.6 U14.13
Net-(RN9-Pad7): RN9.7 U14.12
Net-(RN9-Pad8): RN9.8 U14.11
Net-(RN10-Pad5): RN10.5 U14.20
Net-(RN10-Pad6): RN10.6 U14.19
Net-(RN10-Pad7): RN10.7 U14.18
Net-(RN10-Pad8): RN10.8 U14.17
Net-(RN11-Pad5): RN11.5 U13.14
Net-(RN11-Pad6): RN11.6 U13.13
Net-(RN11-Pad7): RN11.7 U13.12
Net-(RN11-Pad8): RN11.8 U13.11
Net-(RN12-Pad5): RN12.5 U13.20
Net-(RN12-Pad6): RN12.6 U13.19
Net-(RN12-Pad7): RN12.7 U13.18
Net-(RN12-Pad8): RN12.8 U13.17
Net-(RN13-Pad1): RN13.1 U15.20
Net-(RN13-Pad2): RN13.2 U15.19
Net-(RN13-Pad3): RN13.3 U15.18
Net-(RN13-Pad4): RN13.4 U15.17
Net-(RN14-Pad1): RN14.1 U15.14
Net-(RN14-Pad2): RN14.2 U15.13
Net-(RN14-Pad3): RN14.3 U15.12
Net-(RN14-Pad4): RN14.4 U15.11
Net-(RN15-Pad1): RN15.1 U12.20
Net-(RN15-Pad2): RN15.2 U12.19
Net-(RN15-Pad3): RN15.3 U12.18
Net-(RN15-Pad4): RN15.4 U12.17
Net-(RN16-Pad1): RN16.1 U12.14
Net-(RN16-Pad2): RN16.2 U12.13
Net-(RN16-Pad3): RN16.3 U12.12
Net-(RN16-Pad4): RN16.4 U12.11
Net-(RN20-Pad5): RN20.5
Net-(RN21-Pad5): RN21.5
Net-(SW1-Pad1): SW1.1
Net-(U1-Pad6): U1.6
Net-(U1-Pad7): U1.7
Net-(U2-Pad17): U2.17
Net-(U2-Pad18): U2.18
Net-(U2-Pad19): U2.19
Net-(U2-Pad20): U2.20
Net-(U2-Pad22): U2.22
Net-(U2-Pad23): U2.23
Net-(U2-Pad24): U2.24
Net-(U2-Pad25): U2.25
Net-(U2-Pad26): U2.26
Net-(U2-Pad27): U2.27
Net-(U2-Pad28): U2.28
Net-(U2-Pad29): U2.29
Net-(U2-Pad30): U2.30
Net-(U2-Pad34): U2.34
Net-(U2-Pad35): U2.35
Net-(U2-Pad37): U2.37
Net-(U2-Pad38): U2.38
Net-(U2-Pad39): U2.39
Net-(U2-Pad40): U2.40
Net-(U2-Pad42): U2.42
Net-(U2-Pad46): U2.46
Net-(U2-Pad47): U2.47
Net-(U2-Pad51): U2.51
Net-(U2-Pad52): U2.52
Net-(U2-Pad54): U2.54
Net-(U3-Pad3): U3.3
Net-(U10-Pad5): U10.5
Net-(U10-Pad7): U10.7
Net-(U10-Pad8): U10.8
Net-(U11-PadA13): U11.A13
Net-(U11-PadA14): U11.A14
Net-(U11-PadA15): U11.A15
Net-(U11-PadA16): U11.A16
Net-(U11-PadA18): U11.A18
Net-(U11-PadA19): U11.A19
Net-(U11-PadA20): U11.A20
Net-(U11-PadA21): U11.A21
Net-(U11-PadAA8): U11.AA8
Net-(U11-PadAA9): U11.AA9
Net-(U11-PadAA10): U11.AA10
Net-(U11-PadAA11): U11.AA11
Net-(U11-PadAA13): U11.AA13
Net-(U11-PadAA14): U11.AA14
Net-(U11-PadAA15): U11.AA15
Net-(U11-PadAA16): U11.AA16
Net-(U11-PadAB10): U11.AB10
Net-(U11-PadAB11): U11.AB11
Net-(U11-PadAB12): U11.AB12
Net-(U11-PadAB13): U11.AB13
Net-(U11-PadAB15): U11.AB15
Net-(U11-PadAB16): U11.AB16
Net-(U11-PadAB17): U11.AB17
Net-(U11-PadB13): U11.B13
Net-(U11-PadB15): U11.B15
Net-(U11-PadB16): U11.B16
Net-(U11-PadB17): U11.B17
Net-(U11-PadB18): U11.B18
Net-(U11-PadB20): U11.B20
Net-(U11-PadB21): U11.B21
Net-(U11-PadB22): U11.B22
Net-(U11-PadC13): U11.C13
Net-(U11-PadC14): U11.C14
Net-(U11-PadC15): U11.C15
Net-(U11-PadC17): U11.C17
Net-(U11-PadC18): U11.C18
Net-(U11-PadC19): U11.C19
Net-(U11-PadC22): U11.C22
Net-(U11-PadD14): U11.D14
Net-(U11-PadD16): U11.D16
Net-(U11-PadD17): U11.D17
Net-(U11-PadD19): U11.D19
Net-(U11-PadD20): U11.D20
Net-(U11-PadD21): U11.D21
Net-(U11-PadD22): U11.D22
Net-(U11-PadE10): U11.E10
Net-(U11-PadE13): U11.E13
Net-(U11-PadE14): U11.E14
Net-(U11-PadE16): U11.E16
Net-(U11-PadE17): U11.E17
Net-(U11-PadE18): U11.E18
Net-(U11-PadE19): U11.E19
Net-(U11-PadE21): U11.E21
Net-(U11-PadE22): U11.E22
Net-(U11-PadF4): U11.F4
Net-(U11-PadF10): U11.F10
Net-(U11-PadF13): U11.F13
Net-(U11-PadF14): U11.F14
Net-(U11-PadF15): U11.F15
Net-(U11-PadF16): U11.F16
Net-(U11-PadF18): U11.F18
Net-(U11-PadF19): U11.F19
Net-(U11-PadF20): U11.F20
Net-(U11-PadF21): U11.F21
Net-(U11-PadG4): U11.G4
Net-(U11-PadG16): U11.G16
Net-(U11-PadG17): U11.G17
Net-(U11-PadG20): U11.G20
Net-(U11-PadG21): U11.G21
Net-(U11-PadG22): U11.G22
Net-(U11-PadH4): U11.H4
Net-(U11-PadH5): U11.H5
Net-(U11-PadH14): U11.H14
Net-(U11-PadH19): U11.H19
Net-(U11-PadH20): U11.H20
Net-(U11-PadJ4): U11.J4
Net-(U11-PadJ5): U11.J5
Net-(U11-PadJ6): U11.J6
Net-(U11-PadJ14): U11.J14
Net-(U11-PadK1): U11.K1
Net-(U11-PadK2): U11.K2
Net-(U11-PadK3): U11.K3
Net-(U11-PadK4): U11.K4
Net-(U11-PadK6): U11.K6
Net-(U11-PadK13): U11.K13
Net-(U11-PadK17): U11.K17
Net-(U11-PadL1): U11.L1
Net-(U11-PadL3): U11.L3
Net-(U11-PadL4): U11.L4
Net-(U11-PadL5): U11.L5
Net-(U11-PadL6): U11.L6
Net-(U11-PadL13): U11.L13
